# KiCad board LibrePLC32.kicad_pcb (continued)
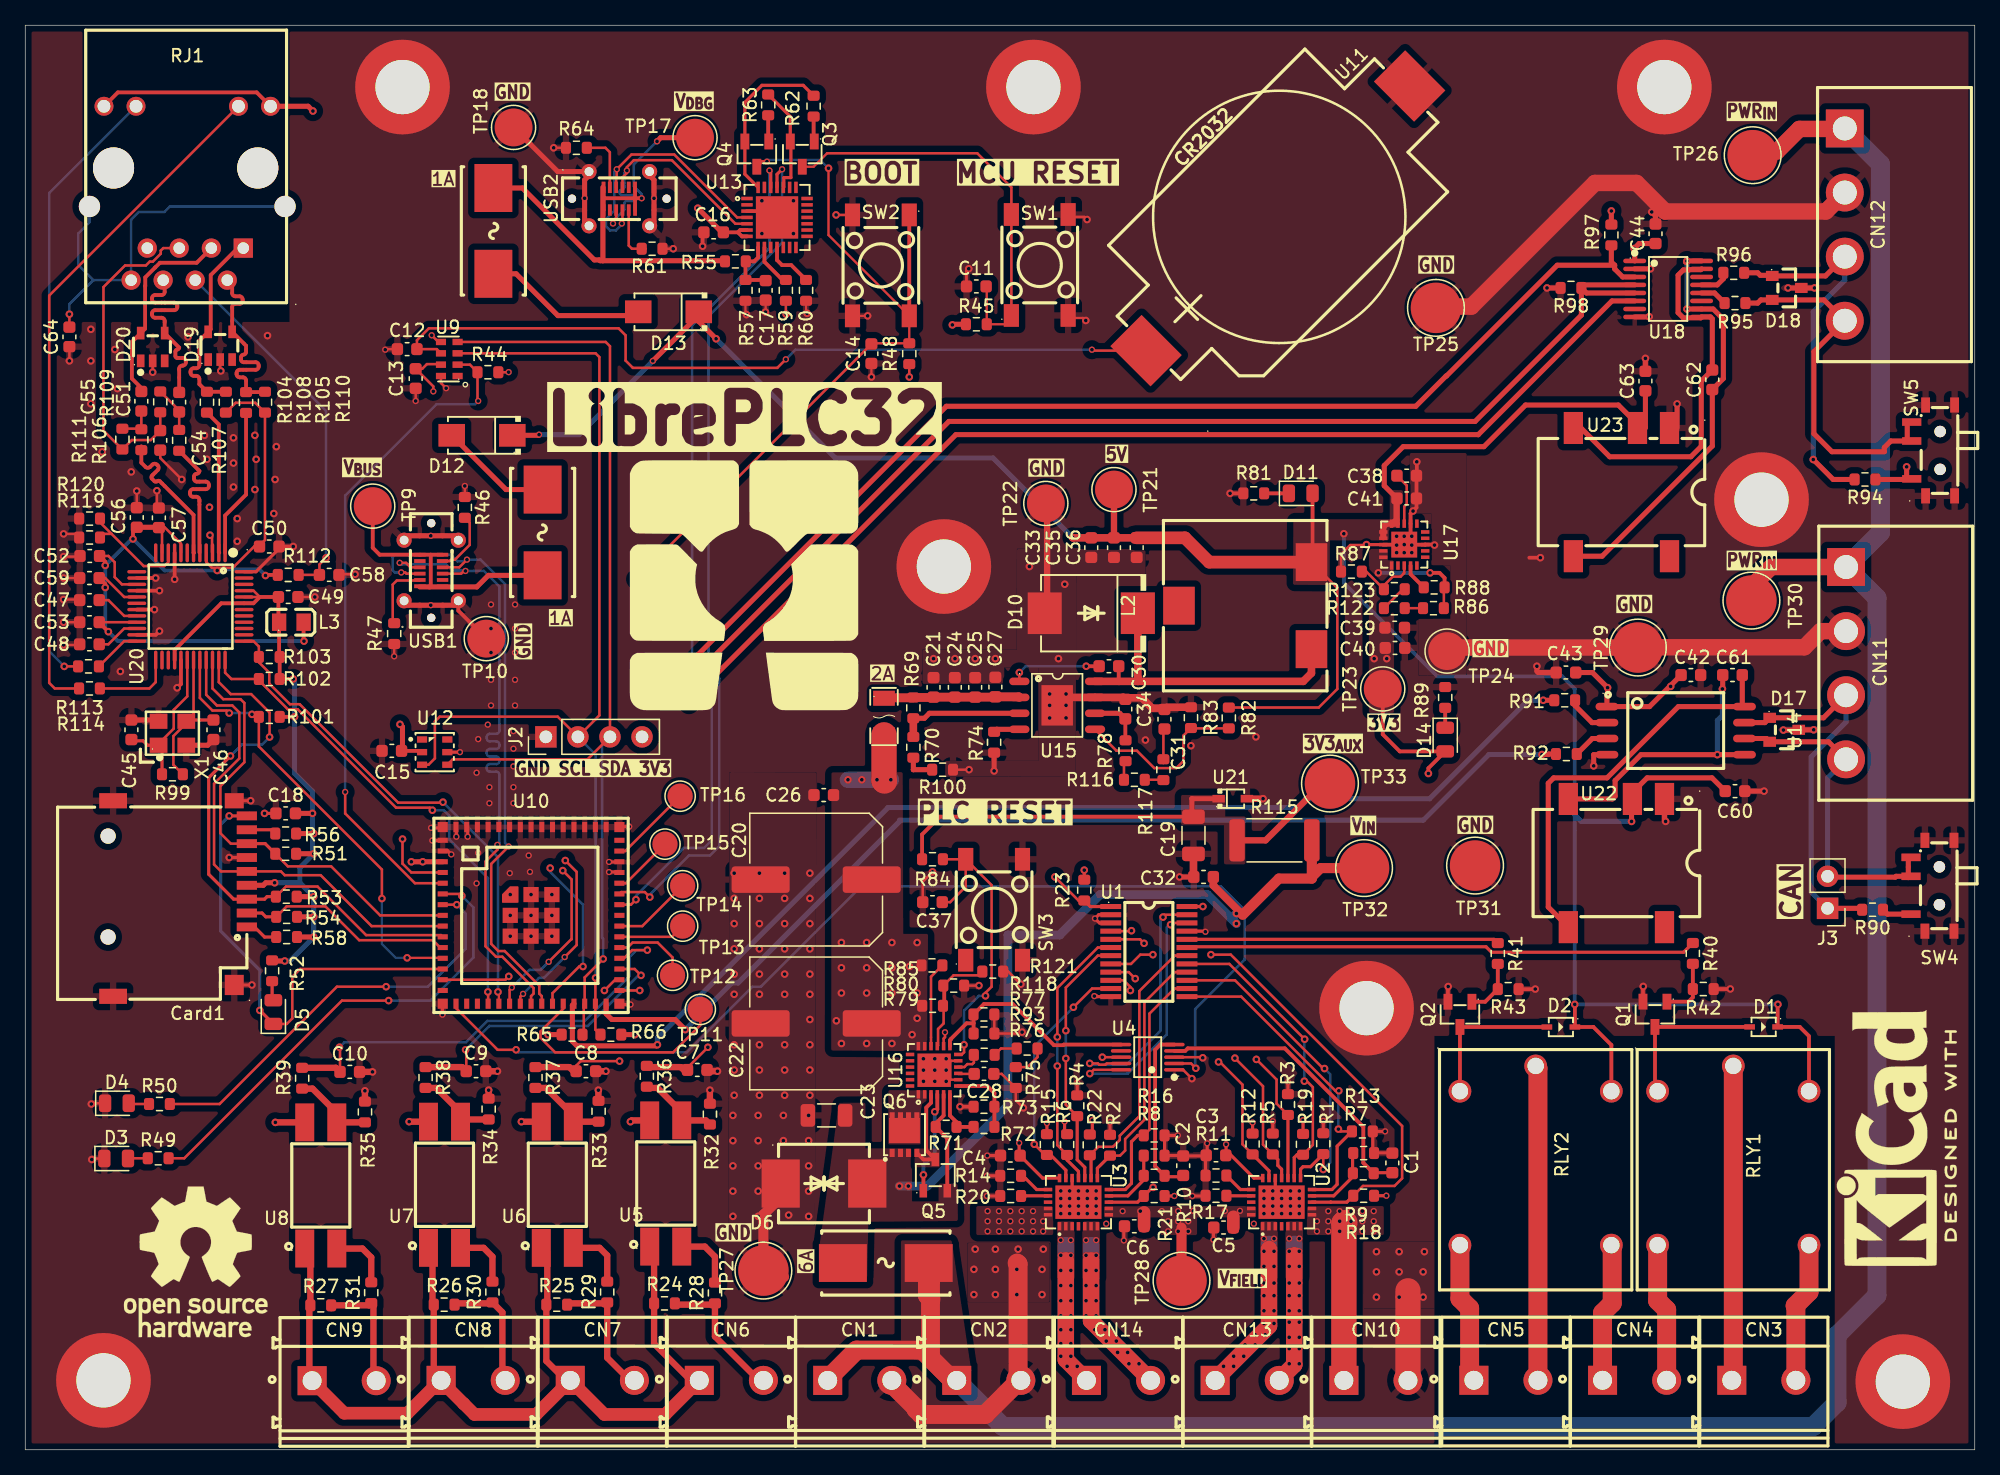
[diagram p0: board, top side]
## Routing (per net, layer and track width the routed paths; a pad name or vN(x,y) marks a point on that pad's centre or on a via; arc(x,y) is an arc through that point) (continued)
Vbat: length 64
  Top w0.2: v2(84.54,87.18) 84.61,87.11 U11.1 ; U9.6 32.62,87.23 C12.2 31.04,87.93 31.98,88.88 47.02,88.88 47.58,88.32 47.58,86.32 48.15,85.74 59.6,85.74 v2(60.28,86.42)
  Bottom w0.2: v2(60.28,86.42) 61.04,87.18 v2(84.54,87.18)
VBUS: length 22
  Top w0.3: USB1.B4 32.14,70.94 ; 32.14,70.94 32.14,68.49 32.04,68.39 ; 32.14,70.94 USB1.A9 28.09,70.94 27.54,71.49 TP9.1
  Top w0.4: 31.27,68.39 35.79,68.39 36.7,69.3 40.5,69.3 41,69.8
/CAN/CAN_H: length 30.3
  Top w0.4: CN11.3 142.51,58.01 D17.1 137.87,57.63 U14.7 ; J3.1 145.47,42.91 R90.2
  Bottom w0.4: CN11.3 144.3,57.68 141.53,54.91 141.53,44.21 J3.1
/CAN/CAN_L: length 26.8
  Top w0.4: 149.2,46.95 149.24,46.91 149.24,45.34 ; 142.84,45.15 143.06,45.38 148.2,45.38 148.27,45.45 149.2,45.45 149.24,45.41 ; U14.6 137.99,56.37 D17.2 142.91,56.11 CN11.4
  Bottom w0.4: J3.2 142.84,53.25 CN11.4
/CAN/CAN_RX: length 85.7
  Top w0.4: U10.30 46.04,34.55 46.49,34.1 51.5,34.1 v1(52.3,33.3) ; R92.2 120.74,55.14 120.7,55.1 v1(120.2,55.1)
  Bottom w0.4: v1(52.3,33.3) 55.99,36.99 55.99,37 56.49,37 69.3,49.81 69.3,49.9 110.8,49.9 116,55.1 v1(120.2,55.1)
/CAN/CAN_TX: length 92.6
  Top w0.4: R91.2 v1(120.3,59.4) ; v1(50.1,32.1) 50.01,32.01 43.72,32.01 43.36,32.37 43.36,35.23 U10.27
  Bottom w0.4: v1(120.3,59.4) 119.1,59.4 111.3,51.6 101.49,51.6 100.79,50.9 92.17,50.9 92.17,50.9 68.37,50.9 50.1,32.63 v1(50.1,32.1)
/Ethernet/ETH_1V2: length 3.5
  Top w0.2: U20.22 7.84,65.09 6.59,63.84 C48.1
/Ethernet/ETH_EXPRES: length 9
  Top w0.2: U20.10 11.34,70.36 11.02,70.04 9.39,70.04 6.84,72.59 ; 6.84,72.59 5.92,73.5 5.92,73.8 ; 6.84,72.59 5.84,72.59
/Ethernet/ETH_LED_G: length 6.4
  Top w0.2: R114.2 9.84,60.34 10.34,60.84 U20.25
/Ethernet/ETH_LED_Y: length 3.8
  Top w0.2: R113.2 7.84,64.09 U20.24
/Ethernet/ETH_RX+: length 11.8
  Top w0.3: 13.37,71.09 U20.6 13.34,74.09 10.67,76.76 arc(10.56,76.8) 10.46,76.76 arc(10.35,76.72) 10.25,76.76 10.03,76.97 arc(9.99,77.08) 10.03,77.18 10.51,77.66 arc(10.58,77.83) 10.51,78 10.42,78.08 arc(10.25,78.15) 10.08,78.08 9.89,77.88 arc(9.72,77.81) 9.55,77.88 9.2,78.23 9.2,79.52
/Ethernet/ETH_RX-: length 11.8
  Top w0.3: R107.1 13.8,77.57 arc(13.74,77.42) 13.59,77.36 arc(13.44,77.29) 13.37,77.14 13.37,76.95 arc(13.44,76.79) 13.59,76.73 14.31,76.73 arc(14.48,76.66) 14.55,76.49 14.55,76.37 arc(14.48,76.2) 14.31,76.13 13.3,76.13 arc(13.13,76.06) 13.06,75.89 13.06,75.77 arc(13.13,75.6) 13.3,75.53 13.56,75.53 arc(13.73,75.46) 13.8,75.29 13.8,71.12
/Ethernet/ETH_TOCAP: length 3.5
  Top w0.2: U20.20 7.84,66.09 6.59,67.34 C47.1
/Ethernet/ETH_TX+: length 11.5
  Top w0.3: R104.1 15.34,81.26 15.34,71.12 15.37,71.09
/Ethernet/ETH_TX-: length 11.8
  Top w0.3: U20.1 15.84,74.04 17.5,75.7 R105.1
/Ethernet/ETH_XI: length 12.4
  Top w0.2: X1.1 10.56,55.95 11.76,57.15 11.76,58.64 12.84,59.71 U20.30
  Top w0.25: R99.1 10.84,55.56 X1.1 9.69,55.84 9.34,56.19 8.51,56.19 C45.2
/Ethernet/ETH_XO: length 12.6
  Top w0.2: X1.3 12.76,57.59 11.74,56.56 11.74,54.29 R99.2 ; X1.3 12.51,57.99 ; X1.3 13.34,58.31 U20.31
  Top w0.25: X1.3 12.86,57.84 C46.1
/Ethernet/RJ45_RCT: length 26
  Top w0.2: R109.1 C54.1 9.95,80.02 8.45,80.02 R111.1 6.2,80.77 6.2,92.15 7.91,93.86 9.56,93.86 9.87,94.17 10.11,94.17 10.74,94.79 10.74,95.04 10.94,95.24 RJ1.5
/Ethernet/RJ45_RX+: length 15.7
  Top w0.3: RJ1.3 13.59,94.08 10.67,94.08 10.3,93.71 10.3,93.71 9.51,92.92 9.51,92.23 9.5,92.22 9.5,88.85 D20.5 8.45,87.8 8.45,84.9 9.2,84.15
/Ethernet/RJ45_RX-: length 15.8
  Top w0.3: RJ1.6 11.05,92.58 11.05,91.76 arc(10.98,91.59) 10.81,91.52 10.29,91.52 arc(10.12,91.45) 10.05,91.28 10.05,91.16 arc(10.12,90.99) 10.29,90.92 11.81,90.92 arc(11.98,90.85) 12.05,90.68 12.05,90.56 arc(11.98,90.39) 11.81,90.32 10.29,90.32 arc(10.12,90.25) 10.05,90.08 10.05,89.96 arc(10.12,89.79) 10.29,89.72 10.81,89.72 arc(10.98,89.65) 11.05,89.48 D20.4 12.2,87.35 arc(12.16,87.24) 12.05,87.2 arc(11.94,87.16) 11.9,87.05 11.9,86.67 arc(11.94,86.57) 12.05,86.52 12.49,86.52 arc(12.66,86.45) 12.73,86.28 12.73,86.16 arc(12.66,86) 12.49,85.92 12.44,85.92 arc(12.27,85.85) 12.2,85.68 C51.2
/Ethernet/RJ45_TCT: length 29.5
  Top w0.2: v1(23.84,70.69) 23.31,70.16 C58.1 R112.2
  Bottom w0.2: v1(23.84,70.69) 23.84,82.33 RJ1.4
/Ethernet/RJ45_TX+: length 15.8
  Top w0.3: R108.1 R104.2 13.8,84.45 13.8,84.88 arc(13.73,85.05) 13.56,85.12 13.34,85.12 arc(13.17,85.19) 13.1,85.36 13.1,85.48 arc(13.17,85.65) 13.34,85.72 13.56,85.72 arc(13.73,85.79) 13.8,85.96 13.8,87.9 D19.5 14.7,88.8 14.7,93.1 16.84,95.24 RJ1.1
/Ethernet/RJ45_TX-: length 15.8
  Top w0.3: RJ1.2 16.4,92.31 16.4,91.66 arc(16.47,91.49) 16.64,91.42 16.99,91.42 arc(17.16,91.35) 17.23,91.18 17.23,91.06 arc(17.16,90.89) 16.99,90.82 16.64,90.82 arc(16.47,90.75) 16.4,90.58 D19.4 17.5,87.5 17.5,86.99 arc(17.44,86.85) 17.3,86.79 arc(17.16,86.73) 17.1,86.59 17.1,86.39 arc(17.16,86.25) 17.3,86.19 18.26,86.19 arc(18.43,86.12) 18.5,85.95 18.5,85.83 arc(18.43,85.66) 18.26,85.59 16.99,85.59 arc(16.82,85.52) 16.75,85.35 16.75,85.23 arc(16.82,85.06) 16.99,84.99 17.26,84.99 arc(17.43,84.92) 17.5,84.75 R105.2 18.98,83.82 R110.1
/Ethernet/RXN: length 3.7
  Top w0.2: R109.2 12.2,82.37 C51.1 R107.2
/Ethernet/RXP: length 2.8
  Top w0.2: 9.2,82.2 R106.2 9.15,80.92 7.7,80.92
/Ethernet/SPI_MISO: length 36.7
  Top w0.2: U10.8 28.13,42.35 24.24,46.24 20.81,46.24 R51.1 ; Card1.7 16.29,48.04 15.46,48.86 15.46,52.59 17.36,54.49 17.36,59.19 17.06,59.49 15.69,59.49 14.84,60.34 U20.34
  Top w0.25: R51.1 19.01,48.04 Card1.7
/Ethernet/SPI_MOSI: length 44
  Top w0.2: U20.35 15.34,60.84 16.29,59.89 17.9,59.89 19.36,58.42 v1(19.36,56.49) ; R53.1 20.66,44.64 23.16,44.64 27.01,40.79 32.95,40.79 U10.10
  Top w0.25: R53.1 19.16,43.84 18.96,43.64 Card1.3 16.51,43.64 14.54,45.61 14.54,53.26 v1(16.26,54.99)
  Bottom w0.2: v1(16.26,54.99) 17.16,55.89 18.76,55.89 v1(19.36,56.49)
/Ethernet/SPI_SCLK: length 39
  Top w0.2: U10.9 27.45,41.5 23.41,45.54 20.56,45.54 20.26,45.84 Card1.5 15.51,45.84 14.96,46.39 14.96,52.79 16.96,54.79 16.96,58.44 16.41,58.99 15.19,58.99 14.34,59.84 U20.33
/Ethernet/~{ETH_CS}: length 35.6
  Top w0.18: U10.12 33.05,38.99 v1(30.26,38.99)
  Top w0.2: v1(17.96,58.29) 18.16,58.09 R101.2 18.51,55.74 28.26,45.99 v1(28.26,43.69) ; U20.32 13.84,59.59 14.84,58.59 15.96,58.59 v1(16.16,58.39)
  Bottom w0.18: v1(30.26,38.99) 29.36,38.99 28.26,40.09 v1(28.26,43.69)
  Bottom w0.2: v1(16.16,58.39) 17.86,58.39 v1(17.96,58.29)
/Ethernet/~{ETH_INT}: length 39.7
  Top w0.2: U10.19 36.69,36.27 v1(36.66,36.29) ; U20.36 15.84,61.59 16.34,61.09 R102.2 18.51,60.98 20.81,58.69 21.59,58.69 29.39,50.89 32.06,50.89 v1(32.26,50.69)
  Bottom w0.2: v1(36.66,36.29) 36.66,45.31 33.61,48.36 33.61,50.24 33.16,50.69 v1(32.26,50.69)
/Ethernet/~{ETH_RST}: length 40.4
  Top w0.18: U10.20 37.54,36.22 v1(37.46,36.29)
  Top w0.2: v1(33.1,51.33) 33.06,51.29 29.55,51.29 21.75,59.09 20.98,59.09 19.34,60.72 19.34,61.59 18.51,62.41 R103.2 ; 18.51,62.59 18.51,63.66 18.09,64.09 U20.37
  Bottom w0.2: v1(37.46,36.29) 37.46,46.96 v1(33.1,51.33)
/MCU/ADC_RDY: length 86.6
  Top w0.2: U4.2 92.39,30.61 v1(92.77,30.24) ; U10.16 34.14,35 37.44,31.7 39,31.7
  Bottom w0.2: v1(92.77,30.24) 92.72,30.29 92.72,34.92 96.63,38.83 96.63,42.77 94.75,44.65 66.25,44.65 58.3,36.7 57.63,36.7 52.43,31.5 39.1,31.5 v1(38.9,31.7)
/MCU/I2C_SCL: length 151.8
  Top w0.2: 34.27,86.9 45.2,86.9 45.5,86.6 45.5,58.2 J2.2 42.2,58.1 32.85,58.1 32.47,57.72 32.47,54.8 31.96,54.29 U12.3 ; U4.10 84.68,30.11 84.38,29.81 v1(84.37,29.81) ; v1(45.2,37.4) 45.2,37.2 45.19,37.19 U10.29 45.19,33.29 45.57,32.9 R66.2 ; U1.22 90.91,41.75 v1(90.77,41.61)
  In2.Cu w0.2: v1(84.37,29.81) 84.32,29.81 83.5,30.64 83.5,33.9 82.8,33.9 74.4,42.3 64.9,42.3 63.5,40.9 63.5,40.1 62.1,38.7 62,38.7 61.8,38.5 46.5,38.5 45.4,37.4 v1(45.2,37.4)
  Bottom w0.2: v1(84.37,29.81) 87.37,29.81 90.47,32.91 90.47,41.41 90.67,41.61 v1(90.77,41.61) ; v1(45.2,37.4) 45.2,55.1 J2.2
/MCU/I2C_SDA: length 150.3
  Top w0.2: v1(45.8,38.9) 44.34,37.44 U10.28 44.26,35.28 44.26,32.51 ; 34.27,87.8 46,87.8 46.34,87.46 J2.3 44.55,54.71 33.87,54.71 U12.4 ; U1.23 90.28,42.4 90.17,42.29 v1(90.17,42.21) ; v1(84.36,30.62) 84.62,30.62 84.63,30.61 85.01,30.61 85.11,30.51 85.61,30.51 85.71,30.61 U4.9
  In2.Cu w0.2: v1(45.8,38.9) 60.4,38.9 64.8,43.3 75.69,43.3 84.36,34.63 v1(84.36,30.62)
  Bottom w0.2: v1(45.8,38.9) 45.8,40.5 45.71,40.59 45.71,55.87 J2.3 ; v1(84.36,30.62) 84.47,30.51 87.27,30.51 89.97,33.21 89.97,42.01 v1(90.17,42.21)
/MCU/MCU_DI1: length 15
  Top w0.2: v1(48.7,36.4) 48.7,36.4 U10.31 ; v1(54.1,31.9) 52.49,30.29 C7.1
  Top w0.5: 52.29,30 51.96,30.33 49.29,30.33
  In2.Cu w0.2: v1(48.7,36.4) 50.5,36.4 54.1,32.8 v1(54.1,31.9)
/MCU/MCU_DI2: length 14.8
  Top w0.2: v1(47.1,30.8) 44.02,30.8 43.66,30.44 C8.1 ; U10.32 46.75,37.25 v1(45.9,36.4)
  Top w0.5: 43.45,30 43.12,30.33 40.45,30.33
  In2.Cu w0.2: v1(45.9,36.4) 46,36.3 46,31.9 v1(47.1,30.8)
/MCU/MCU_DI3: length 23.3
  Top w0.2: C9.1 34.95,31.65 v1(34.9,31.7) ; v1(48.8,37.6) 48.3,38.1 U10.33
  Top w0.5: R38.1 34.63,30.33 C9.1
  Bottom w0.2: v1(34.9,31.7) 36.79,33.59 44.59,33.59 48.5,37.5 48.7,37.5 v1(48.8,37.6)
/MCU/MCU_DI4: length 36.1
  Top w0.2: v1(49.3,39.6) 48.1,39.6 47.45,38.95 U10.34 ; v1(24.9,31.9) 24.95,31.85 C10.1
  Top w0.5: R39.1 24.62,30.27 C10.1
  Bottom w0.2: v1(24.9,31.9) 25.3,32.3 34.93,32.3 36.62,33.99 44.34,33.99 47.9,37.55 47.9,39.06 48.44,39.6 v1(49.3,39.6)
/MCU/MCU_USB_D+: length 51.4
  Top w0.2: v2(29.8,69.53) 30.12,69.53 30.21,69.44 USB1.A6 ; v2(35.01,70.55) 34.4,69.94 USB1.B6 ; v2(38.31,47.81) 36.93,46.43 36.93,40.09 37.49,39.52 37.99,39.52 40.74,36.78 40.74,36.15 40.94,35.95 U10.24
  Bottom w0.2: v2(38.31,47.81) 38.03,48.1 38.03,68.61 36.09,70.55 v2(35.01,70.55) 34.88,70.42 34.24,70.42 33.74,70.93 29.29,70.93 29.12,70.76 29.12,69.7 29.29,69.53 v2(29.8,69.53)
/MCU/MCU_USB_D-: length 52.6
  Top w0.2: USB1.A7 30.54,69.94 30.18,70.29 29.8,70.29 29.67,70.17 ; v2(37.42,47.94) 37.42,47.56 36.48,46.62 36.48,39.91 37.31,39.07 37.81,39.07 40.29,36.6 40.29,36.15 40.09,35.95 U10.23 ; v2(34.89,69.65) 34.88,69.66 34.77,69.66 34.55,69.44 USB1.B7
  Bottom w0.2: v2(37.42,47.94) 37.57,48.1 37.57,53.5 arc(37.5,53.67) 37.33,53.74 36.81,53.74 arc(36.65,53.81) 36.57,53.98 36.57,54.1 arc(36.65,54.27) 36.81,54.34 37.33,54.34 arc(37.5,54.41) 37.57,54.58 37.57,54.7 arc(37.5,54.87) 37.33,54.94 36.81,54.94 arc(36.65,55.01) 36.57,55.18 36.57,55.3 arc(36.65,55.47) 36.81,55.54 37.33,55.54 arc(37.5,55.61) 37.57,55.78 37.57,55.9 arc(37.5,56.07) 37.33,56.14 36.81,56.14 arc(36.65,56.21) 36.57,56.38 36.57,56.5 arc(36.65,56.67) 36.81,56.74 37.33,56.74 arc(37.5,56.81) 37.57,56.98 37.57,68.42 36.34,69.66 35.56,69.66 35.55,69.65 v2(34.89,69.65) 34.85,69.68 34.52,69.68 34.52,69.69 33.83,69.69 33.35,70.17 29.8,70.17 v2(29.67,70.29)
/MCU/S_LED0: length 37.6
  Top w0.2: U10.6 34.45,44.05 v1(34.6,43.9) ; v1(28.8,35.6) 25.1,35.6 12.6,23.1 R49.2
  Bottom w0.2: v1(34.6,43.9) 35.51,42.99 35.51,39.01 32.1,35.6 v1(28.8,35.6)
/MCU/S_LED1: length 33.4
  Top w0.2: v1(28.6,36.7) 24.7,36.7 15.4,27.4 R50.2 ; U10.7 34.2,43.2 v1(34.2,43.2)
  Bottom w0.2: v1(28.6,36.7) 31.9,36.7 34.9,39.7 34.9,42.5 v1(34.2,43.2)
/MCU/SD_CD: length 37.3
  Top w0.2: U10.13 21.78,38.1 21.16,37.49 21.16,34.19 20.73,33.75 D5.1
  Top w0.25: v1(18.59,34.82) D5.1 ; v1(16.16,50.24) Card1.CD 17.76,50.44
  Bottom w0.25: v1(16.16,50.24) 15.49,49.56 15.49,41.11 18.59,38.01 v1(18.59,34.82)
/MCU/SD_DAT1: length 2.4
  Top w0.25: R56.1 19.51,49.14 Card1.8
/MCU/SD_DAT2: length 2.7
  Top w0.25: R58.1 18.96,40.64 18.16,41.44 Card1.1
/MCU/UART_DTR: length 13.5
  Top w0.25: R62.2 61.65,108.14 58.38,108.14 57.03,106.79 Q4.2 57.03,101.1 U13.28
/MCU/UART_RTS: length 8.7
  Top w0.25: R63.2 60.63,105.66 Q3.2 60.68,103.64 60.68,100.82 60.11,100.82 60.11,100.08 U13.24
/MCU/UART_RX: length 68
  Top w0.2: U10.40 47.23,44.2 49.1,44.2 v1(49.5,43.8)
  Top w0.25: v2(59.98,101.49) 59.58,101.09 U13.25
  Bottom w0.2: v2(59.98,101.49) 59.98,95.67 54.15,89.84 54.15,62 55,61.15 55,47.83 54.27,47.1 52.6,47.1 49.5,44 v1(49.5,43.8)
/MCU/UART_TX: length 67.4
  Top w0.2: v1(48.4,43.6) 48,43.2 U10.39
  Top w0.25: U13.26 59.08,101.29 v2(58.98,101.39) 58.98,101.49
  Bottom w0.2: v1(48.4,43.6) 48.4,43.9 52.2,47.7 53.8,47.7 54.4,48.3 54.4,58.77 52.85,60.33 52.85,89.11 58.98,95.24 v2(58.98,101.39)
/MCU/USB_D+: length 21.9
  Top w0.2: v2(47.28,97.19) 47.33,97.24 USB2.B6 ; U13.4 56.42,97.67 51.43,102.65 48.04,102.65 v2(46.88,101.49) 46.88,100.89 46.83,100.84 USB2.A6
  Bottom w0.2: v2(46.88,101.49) 46.68,101.29 46.68,98.19 46.03,97.54 46.03,96.96 46.35,96.64 46.81,96.64 47.28,97.11 v2(47.28,97.19)
/MCU/USB_D-: length 21.3
  Top w0.2: v2(46.58,97.19) 46.58,97.39 46.83,97.64 USB2.B7 ; USB2.A7 47.33,100.84 47.68,101.19 v2(47.68,101.39) 47.68,101.65 48.23,102.2 51.25,102.2 56.28,97.17 U13.5
  Bottom w0.2: v2(46.58,97.19) 46.58,97.39 47.48,98.29 47.48,98.79 arc(47.53,98.92) 47.66,98.98 48.12,98.98 arc(48.25,99.03) 48.3,99.16 48.3,99.25 arc(48.25,99.38) 48.12,99.44 47.29,99.44 arc(47.16,99.49) 47.11,99.62 47.11,99.71 arc(47.16,99.84) 47.29,99.9 47.3,99.9 arc(47.43,99.95) 47.48,100.08 47.48,101.19 v2(47.68,101.39)
/MCU/~{MCU_BOOT}: length 93.8
  Top w0.18: C14.2 67.16,87.64 67.21,87.69 R48.2 SW2.2 63.66,96.27 v1(63.66,101.57)
  Top w0.2: U10.4 30.6,45.75 29.9,46.45 v1(29.9,48.4) ; v1(48.42,69) C14.2
  Top w0.25: v2(58.78,102.09) 58.38,102.09 Q4.3
  Top w0.3: SW2.1 SW2.2
  In2.Cu w0.2: v1(48.42,69) 47.96,68.54 47.96,68.51 47.5,68.05 47.5,66.8 29.9,49.2 v1(29.9,48.4)
  Bottom w0.18: v2(58.78,102.09) 58.92,102.23 63,102.23 v1(63.66,101.57)
/MCU/~{MCU_RST}: length 33.7
  Top w0.18: 78.38,89.2 R45.2 76.2,92.15 C11.2 ; 63.55,102.75 62.48,101.69 Q3.3
  Top w0.2: 78.15,89.7 78.15,100.05 75.45,102.75 63.55,102.75
/MCU/~{RTC_INT}: length 53
  Top w0.2: v2(35.9,83.12) 35.84,83.17 R44.1 35.24,86 34.27,86 ; U10.5 30.88,44.9 25.35,50.43 v2(25.35,52.13)
  Bottom w0.2: v2(25.35,52.13) 25.35,75.63 32.59,82.87 35.64,82.87 v2(35.9,83.12)
/MCU/~{SD_CS}: length 17.4
  Top w0.2: U10.11 32.89,39.8 32.3,40.39 26.46,40.39 23.79,43.06 22.94,43.06 ; R54.1 20.71,43.06 22.94,43.06 ; 22.94,43.06 22.96,43.04
  Top w0.25: Card1.2 18.76,42.54 19.06,42.24 R54.1
/Power/FB: length 14.5
  Top w0.2: R82.2 92.41,57.17 R83.1 ; U15.5 86.48,55.4 88.1,55.4 89.47,54.02 91.22,54.02 91.78,54.58 91.78,56.6 R83.1 ; R83.1 92.48,57.2
/Power/MAIN_FB: length 5.3
  Top w0.2: 105.83,69.6 106.28,69.6 R123.2 ; U17.3 109.29,69.51 109.23,69.45 109.23,69.43 109,69.2 108.38,69.2 107.47,68.3
/Power/MAIN_PG: length 2.2
  Top w0.3: R88.1 109.79,69.39 U17.4
/Power/PPIC_BGATE: length 7.3
  Top w0.3: Q6.4 71.18,23.01 Q5.3 71.41,23.72 71.41,27.12 71.78,27.5 U16.3
/Power/PPIC_DRV: length 8.1
  Top w0.3: U16.4 72.28,26.99 v1(72.08,26.79) ; v1(71.18,21.79) 71.18,20.54 Q5.1
  Bottom w0.3: v1(71.18,21.79) 71.18,22.59 72.08,23.49 v1(72.08,26.79)
/Power/PPIC_dVdT: length 1.3
  Top w0.2: U16.9 73.98,29.79 C28.2
/Power/PPIC_ILIM: length 2
  Top w0.2: 75.18,31.29 75.18,30.69 75.06,30.56 74.66,30.56 74.42,30.33 U16.10
/Power/PPIC_IMON: length 17.4
  Top w0.3: U16.13 73.28,32.45 73.34,32.51 73.34,32.54 74.6,33.8 75.16,33.8 ; 75.16,33.8 R77.1 ; 75.16,33.8 75.16,34.09 ; R118.1 75.97,35.32 78.26,35.32 81.52,32.06 82.26,32.06 82.31,32.11 U4.6
/Power/PPIC_OVP: length 5.8
  Top w0.3: R72.2 R73.1 76.81,28.26 76.24,28.83 U16.7
/Power/PPIC_PGOOD: length 6.8
  Top w0.2: U16.16 71.78,37.49 R85.2
/Power/PPIC_PGTH: length 8.5
  Top w0.2: R80.1 73.57,37.6 75.55,37.6 R121.1 ; U16.15 72.34,32.05 72.34,33.35 72.78,33.79 72.78,35.14 R79.2
  Top w0.3: 72.96,36.89 72.83,36.76 72.83,35.39
/Power/PPIC_UVLO: length 4.1
  Top w0.3: U16.6 73.28,26.49 73.81,25.96 R71.2 R72.1
/Power/V_IN_MAIN: length 72.1
  Top w0.3: U16.5 72.78,26.49 72.16,25.86 R71.1 73.07,24.67 Q5.2
  Top w0.6: C32.2 94.16,44.72 96.48,42.4
  Top w0.8: 101.96,45.4 101.96,45.27 99.35,45.27 96.48,42.4 ; 101.96,45.4 R115.2 ; 101.96,45.4 102.66,46.1 TP32.1
  Bottom w0.7: v1(95.98,42.5) 95.63,42.15 95.53,42.15 ; 95.53,42.15 93.68,44 85.18,44 81.98,40.8 77.88,40.8 77.88,27.29 71.49,20.9 v1(69.98,20.9) v1(69.28,20.9) ; 95.53,42.15 v1(95.98,41.7)
/Power/~{PPIC_SHDN}: length 24.5
  Top w0.2: 76.08,36.2 76.1,36.18 v1(76.1,35.97) 76.1,36.22 76.58,36.7 76.58,44.75 SW3.2 ; SW3.2 72.73,46.8 R84.2 ; SW3.2 74.53,44.63 73.3,43.4 C37.2 ; U16.12 74.23,31.33 74.4,31.5 v1(74.4,32.1)
  Bottom w0.2: v1(76.1,35.97) 75.57,35.97 74.4,34.8 v1(74.4,32.1)
/RS-485/EXT_RS485_A: length 28.6
  Top w0.4: 149.15,81.45 149.15,79.95 147.85,79.95 147.33,79.43 147.33,79.1 143.18,79.1 141.75,80.53 141.75,87.03 CN12.4 142.55,91.13 D18.2 137.55,91.13 137.3,90.88 136.36,90.88
/RS-485/EXT_RS485_B: length 29.6
  Top w0.4: CN12.3 142.67,93.03 D18.1 138.4,93.08 137.5,93.08 137.3,93.28 136.36,93.28 ; R94.2 143.28,76.9 v1(141.7,78.48)
  Bottom w0.4: CN12.3 144.2,92.68 141.7,90.18 v1(141.7,78.48)
/RS-485/RS485_DIR: length 126.9
  Top w0.2: U10.25 41.79,36.19 43.9,38.3 v1(44.2,38.3)
  Top w0.4: U18.4 123.56,92.32 R98.1 ; R98.1 123.33,89.92 114.9,81.5 73.2,81.5 53.9,62.2 v1(53.5,62.2) ; R98.1 123.72,91.68 U18.5
  In2.Cu w0.2: v1(53.5,62.2) 51.9,60.6 51.9,56.8 48.8,53.7 47.6,53.7 41.6,47.7 v1(41.6,46.1)
  Bottom w0.2: v1(41.6,46.1) 41.6,45.8 44.2,43.2 v1(44.2,38.3)
/RS-485/RS485_RXD: length 125.4
  Top w0.2: U10.21 38.39,36.46 v2(38.56,36.64) ; v2(41.48,38.67) 43.28,40.47 43.3,40.47 43.3,45.2 v1(42.6,45.9)
  Top w0.4: U18.3 126.6,92.95 125.96,93.59 125.96,93.88 ; 125.7,95.45 125.7,94.14 125.96,93.88 ; 125.96,93.88 121.41,93.88 112.63,85.1 112.6,85.1 110.2,82.7 73,82.7 52.6,62.3 v1(52.6,59.1)
  In2.Cu w0.2: v1(42.6,45.9) 42.2,46.3 42.2,47.2 47.7,52.7 48.6,52.7 53,57.1 53,58.7 v1(52.6,59.1)
  Bottom w0.2: v2(38.56,36.64) 39.96,38.03 40.85,38.03 v2(41.48,38.67)
/RS-485/RS485_TXD: length 119.1
  Top w0.2: v2(42.75,39.05) 43.7,40 43.7,45.8 v1(42.8,46.7) ; U10.22 39.24,35.91 v2(39.45,36.13)
  Top w0.4: U18.6 125.75,91.05 115.15,80.45 115.15,80.45 73.75,80.45 v1(54.3,61)
  In2.Cu w0.2: v1(54.3,61) 54.1,60.8 54.1,57.1 48.8,51.8 47.9,51.8 v1(42.8,46.7)
  Bottom w0.2: v2(39.45,36.13) 40.72,37.4 41.1,37.4 v2(42.75,39.05)
/Terminal Blocks Interface/DI1: length 10.7
  Top w0.5: R28.1 54.66,8.98 58.24,5.4 ; 51.66,11.5 54.66,11.5
/Terminal Blocks Interface/DI2: length 10.1
  Top w0.5: 48.02,5.4 46.12,7.3 R29.1 ; 43.02,11.6 46.02,11.6
/Terminal Blocks Interface/DI3: length 9.6
  Top w0.5: 37.82,5.4 37.82,10.89 R30.1 ; 33.93,11.6 36.93,11.6